# Allegro board RK_NVR_DEMO1_RK3588_LP4XD200P232SD8_V21_20211228_final_lint.brd
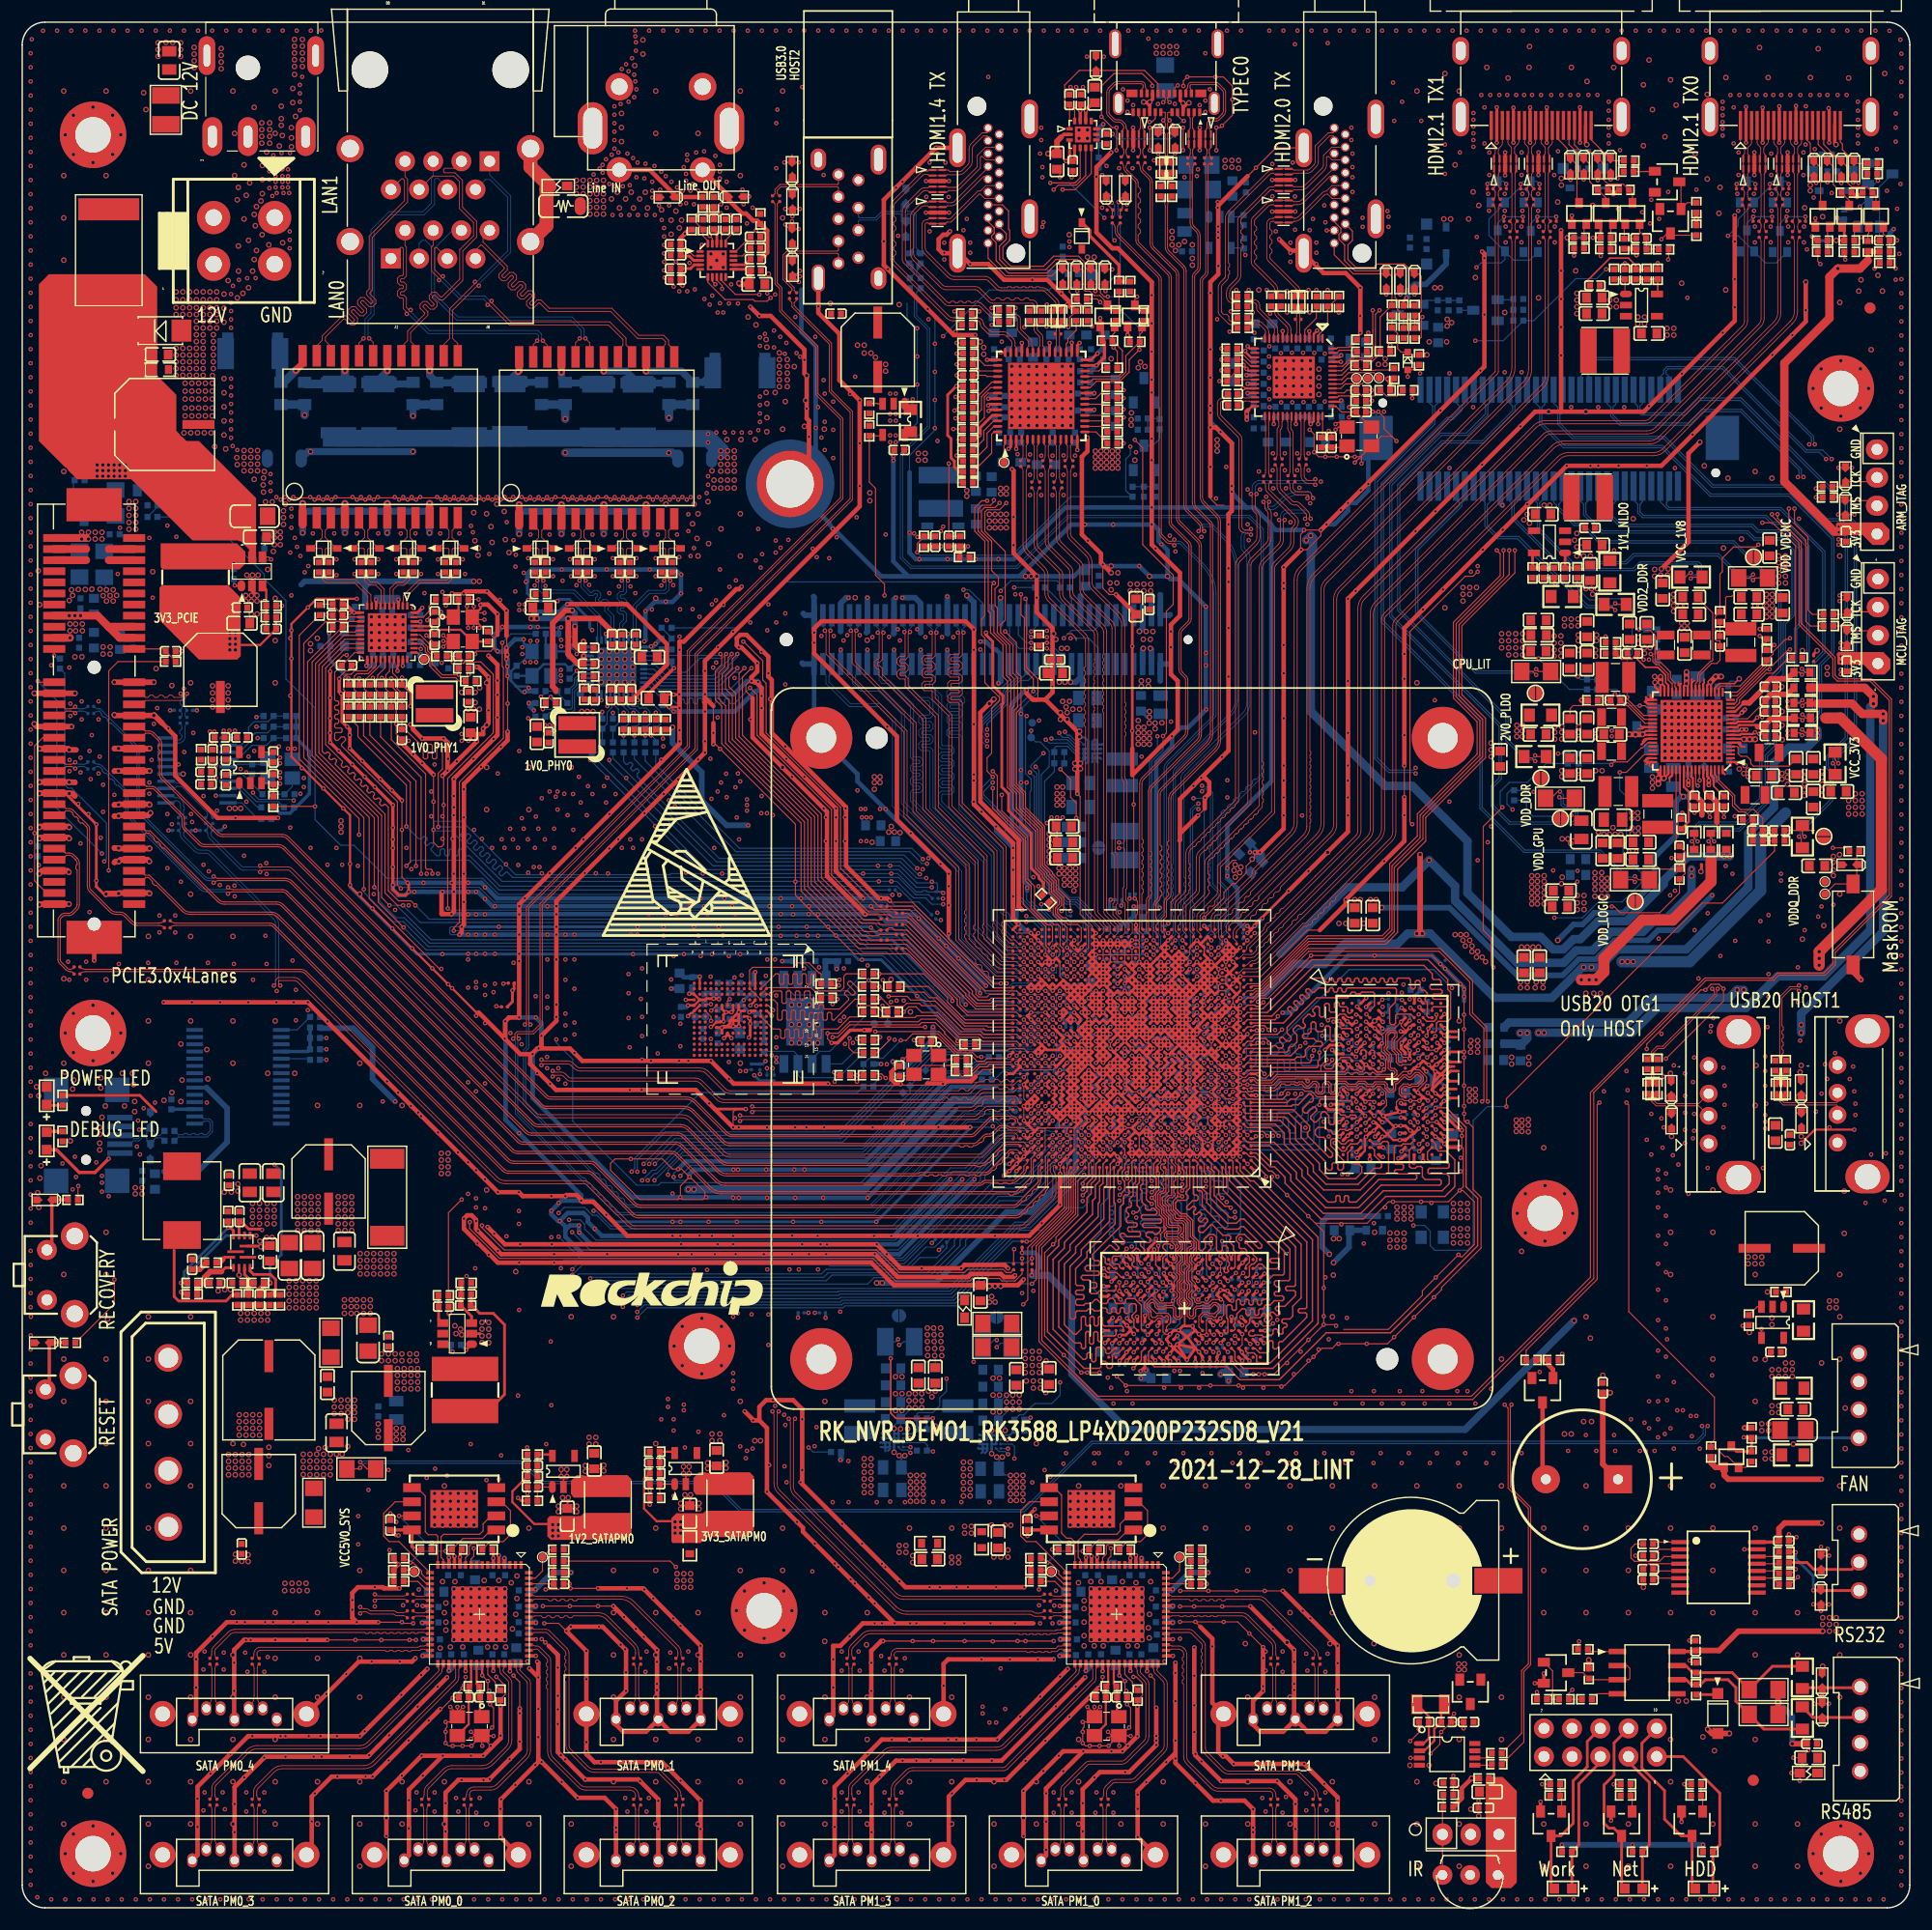
[diagram p0: board, top side]
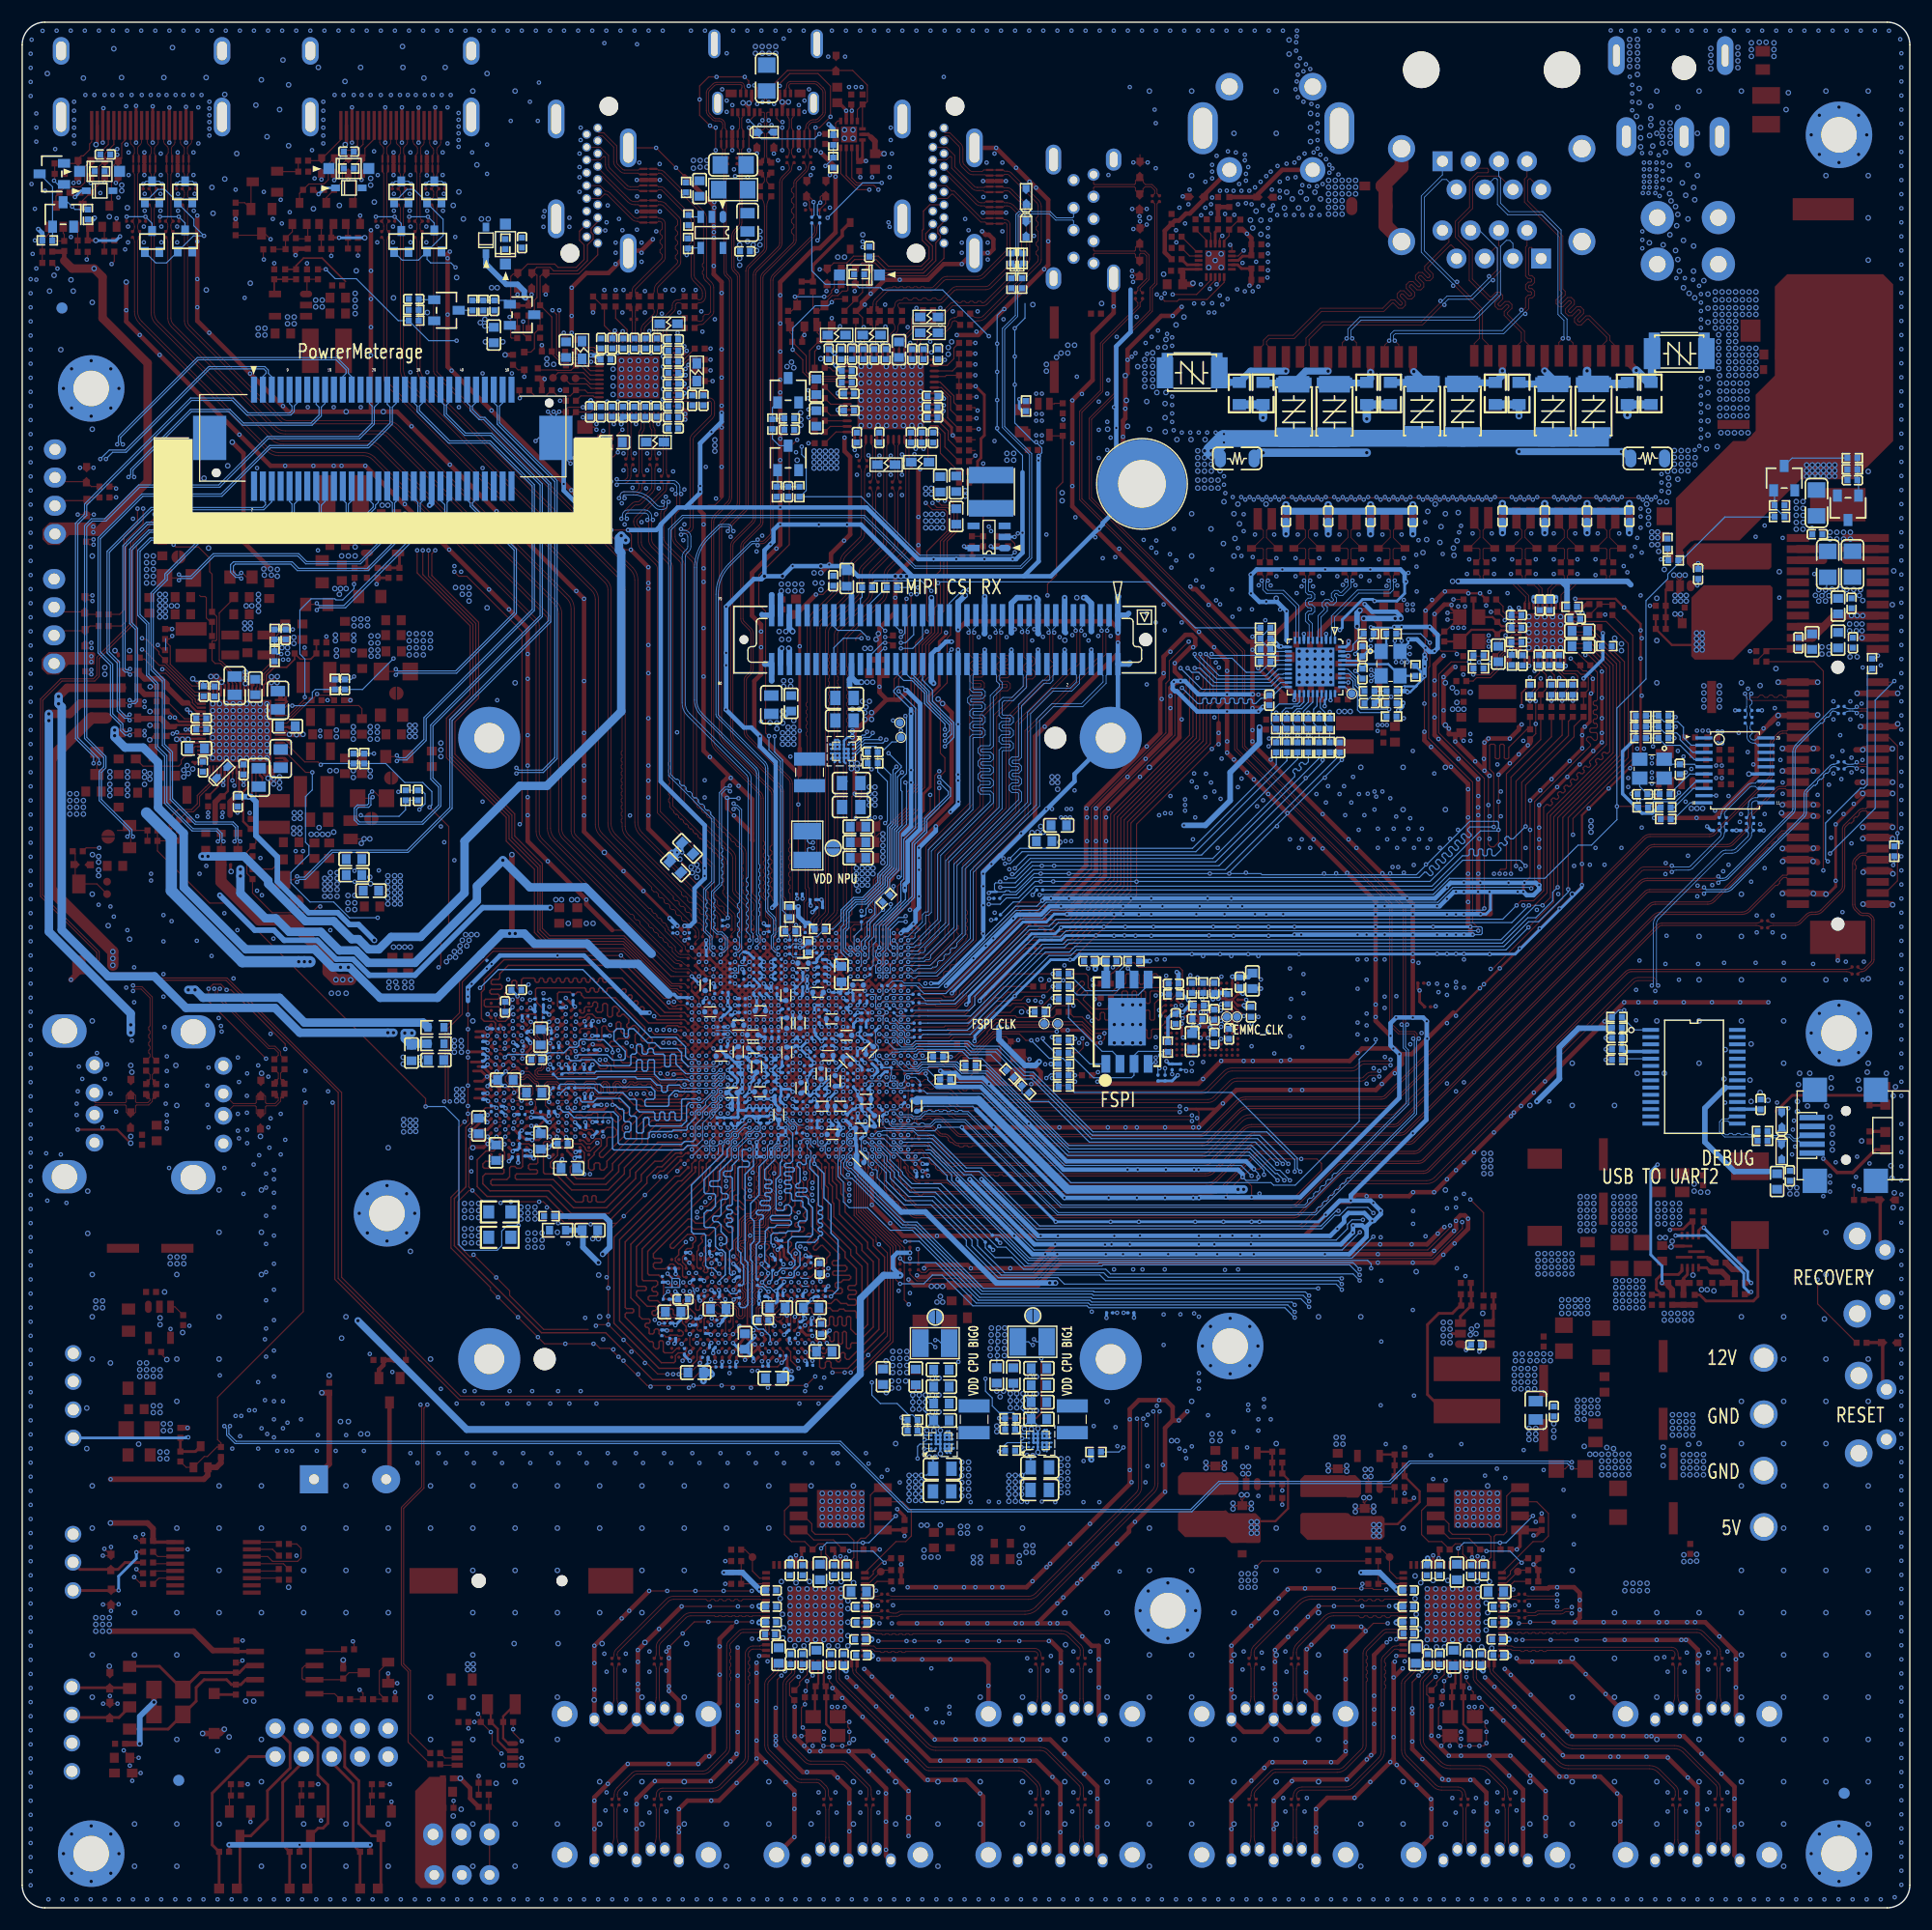
[diagram p1: board, bottom side, seen from below]

Outline 170.08 x 169.98 mm; copper layers: TOP, L2-GND1, L3-POWER1, L4-S1, L5-GND2, L6-S2, L7-GND3, BOTTOM. Coordinates in mm from the lower left corner of the outline.
Outline path: 0,167.94 0,2.03 arc(0.6,0.6) 2.03,0 168.05,0 arc(169.48,0.6) 170.08,2.03 170.08,167.94 arc(169.48,169.38) 168.05,169.98 2.03,169.98 arc(0.6,169.38) 0,167.94

## Design rules (mm)
net group CKDN: nets CKDN MIPI_DPHY1_TX_CLKN
net group CKDP: nets CKDP MIPI_DPHY1_TX_CLKP
net group DDR_CH0_LP4/4X_CKE0/LP5_CS0_A: nets DDR_CH0_LP4/4X_CKE0/LP5_CS0_A DDR_CH0_LP4/4X_CKE0_A
net group DDR_CH0_LP4/4X_CKE0/LP5_CS0_B: nets DDR_CH0_LP4/4X_CKE0/LP5_CS0_B DDR_CH0_LP4/4X_CKE0_B
net group DDR_CH0_LP4/4X_CKE1/LP5_CS1_A: nets DDR_CH0_LP4/4X_CKE1/LP5_CS1_A DDR_CH0_LP4/4X_CKE1_A
net group DDR_CH0_LP4/4X_CKE1/LP5_CS1_B: nets DDR_CH0_LP4/4X_CKE1/LP5_CS1_B DDR_CH0_LP4/4X_CKE1_B
net group DDR_CH1_LP4/4X_CKE0/LP5_CS0_C: nets DDR_CH1_LP4/4X_CKE0/LP5_CS0_C DDR_CH1_LP4/4X_CKE0_C
net group DDR_CH1_LP4/4X_CKE0/LP5_CS0_D: nets DDR_CH1_LP4/4X_CKE0/LP5_CS0_D DDR_CH1_LP4/4X_CKE0_D
net group DDR_CH1_LP4/4X_CKE1/LP5_CS1_C: nets DDR_CH1_LP4/4X_CKE1/LP5_CS1_C DDR_CH1_LP4/4X_CKE1_C
net group DDR_CH1_LP4/4X_CKE1/LP5_CS1_D: nets DDR_CH1_LP4/4X_CKE1/LP5_CS1_D DDR_CH1_LP4/4X_CKE1_D
net group DEBUG0_USBDM: nets DEBUG0_USB_DM DEBUG0_USBDM
net group DEBUG0_USBDP: nets DEBUG0_USB_DP DEBUG0_USBDP
net group DP1AUXN: nets DP1_AUXN DP1AUXN
net group DP1AUXP: nets DP1_AUXP DP1AUXP
net group DP1TX0N: nets DP1_TX0N DP1TX0N
net group DP1TX0P: nets DP1_TX0P DP1TX0P
net group DP1TX1N: nets DP1_TX1N DP1TX1N
net group DP1TX1P: nets DP1_TX1P DP1TX1P
net group DP1TX2N: nets DP1_TX2N DP1TX2N
net group DP1TX2P: nets DP1_TX2P DP1TX2P
net group DP1TX3N: nets DP1_TX3N DP1TX3N
net group DP1TX3P: nets DP1_TX3P DP1TX3P
net group DP13: nets SATAPM0_RXN5 SATAPM0_RXP5
net group DP19: nets SATAPM0_TXN5 SATAPM0_TXP5
net group DP27: nets SATAPM1_RXN5 SATAPM1_RXP5
net group DP33: nets SATAPM1_TXN5 SATAPM1_TXP5
net group DP55: nets TYPEC0_SBU1/DP0_AUXP TYPEC0_SBU2/DP0_AUXN
net group EMMC_CLKOUT: nets EMMC_CLKOUT EMMC_CLKOUT_SOC
net group EMMC_D4: nets EMMC_D4 EMMC_D4_SOC
net group EMMC_D5: nets EMMC_D5 EMMC_D5_SOC
net group EMMC_D7: nets EMMC_D7 EMMC_D7_SOC
net group EMMC_DATA_STROBE: nets EMMC_DATA_STROBE EMMC_DS
net group EMMC_RSTN: nets EMMC_RSTN EMMC_RSTN_SOC
net group ETH0_REFCLKO25M: nets ETH0_REFCLKO25M ETH0_REFCLKO_25M
net group ETH1_REFCLKO25M: nets ETH1_REFCLKO25M ETH1_REFCLKO_25M
net group GMAC0_MDC: nets GMAC0_MDC GMAC0_MDC_SOC
net group GMAC0_RSTN_L_GPIO4_B3: nets GMAC0_RSTN_L_GPIO4_B3 PHY0_RSTN
net group GMAC0_RXCLK: nets GMAC0_RXCLK PHY0_RXCLK/PHYAD1
net group GMAC0_RXD0: nets GMAC0_RXD0 PHY0_RXD0/RXDLY
net group GMAC0_RXD1: nets GMAC0_RXD1 PHY0_RXD1/TXDLY
net group GMAC0_RXD2: nets GMAC0_RXD2 PHY0_RXD2/PLLOFF
net group GMAC0_RXD3: nets GMAC0_RXD3 PHY0_RXD3/PHYAD0
net group GMAC0_RXDV_CRS: nets GMAC0_RXDV_CRS PHY0_RXDV/PHYAD2
net group GMAC0_TXCLK: nets GMAC0_TXCLK GMAC0_TXCLK_SOC
net group GMAC0_TXD0: nets GMAC0_TXD0 GMAC0_TXD0_SOC
net group GMAC0_TXD1: nets GMAC0_TXD1 GMAC0_TXD1_SOC
net group GMAC0_TXD2: nets GMAC0_TXD2 GMAC0_TXD2_SOC
net group GMAC0_TXD3: nets GMAC0_TXD3 GMAC0_TXD3_SOC
net group GMAC0_TXEN: nets GMAC0_TXEN GMAC0_TXEN_SOC
net group GMAC1_MDC: nets GMAC1_MDC GMAC1_MDC_SOC
net group GMAC1_RSTN_L_GPIO4_A2: nets GMAC1_RSTN_L_GPIO4_A2 PHY1_RSTN
net group GMAC1_RXD0: nets GMAC1_RXD0 PHY1_RXD0/RXDLY
net group GMAC1_RXD1: nets GMAC1_RXD1 PHY1_RXD1/TXDLY
net group GMAC1_RXDV_CRS: nets GMAC1_RXDV_CRS PHY1_RXDV/PHYAD2
net group GMAC1_TXCLK: nets GMAC1_TXCLK GMAC1_TXCLK_SOC
net group GMAC1_TXD0: nets GMAC1_TXD0 GMAC1_TXD0_SOC
net group GMAC1_TXD1: nets GMAC1_TXD1 GMAC1_TXD1_SOC
net group GMAC1_TXD2: nets GMAC1_TXD2 GMAC1_TXD2_SOC
net group GMAC1_TXD3: nets GMAC1_TXD3 GMAC1_TXD3_SOC
net group GMAC1_TXEN: nets GMAC1_TXEN GMAC1_TXEN_SOC
net group HDMI0_TX0N_PORT: nets HDMI0_TX0N_PORT HDMI0_TX0N_PORT/EDP0_TX_D0N
net group HDMI0_TX0P_PORT: nets HDMI0_TX0P_PORT HDMI0_TX0P_PORT/EDP0_TX_D0P
net group HDMI0_TX1N_PORT: nets HDMI0_TX1N_PORT HDMI0_TX1N_PORT/EDP0_TX_D1N
net group HDMI0_TX1P_PORT: nets HDMI0_TX1P_PORT HDMI0_TX1P_PORT/EDP0_TX_D1P
net group HDMI0_TX2N_PORT: nets HDMI0_TX2N_PORT HDMI0_TX2N_PORT/EDP0_TX_D2N
net group HDMI0_TX2P_PORT: nets HDMI0_TX2P_PORT HDMI0_TX2P_PORT/EDP0_TX_D2P
net group HDMI0_TX3N_PORT: nets HDMI0_TX3N_PORT HDMI0_TX3N_PORT/EDP0_TX_D3N
net group HDMI0_TX3P_PORT: nets HDMI0_TX3P_PORT HDMI0_TX3P_PORT/EDP0_TX_D3P
net group HDMI0_TX_HPD_PORT: nets HDMI0_TX_HPD_PORT N18070280
net group HDMI1_TX0N_PORT: nets HDMI1_TX0N_PORT HDMI1_TX0N_PORT/EDP1_TX_D0N
net group HDMI1_TX0P_PORT: nets HDMI1_TX0P_PORT HDMI1_TX0P_PORT/EDP1_TX_D0P
net group HDMI1_TX1N_PORT: nets HDMI1_TX1N_PORT HDMI1_TX1N_PORT/EDP1_TX_D1N
net group HDMI1_TX1P_PORT: nets HDMI1_TX1P_PORT HDMI1_TX1P_PORT/EDP1_TX_D1P
net group HDMI1_TX2N_PORT: nets HDMI1_TX2N_PORT HDMI1_TX2N_PORT/EDP1_TX_D2N
net group HDMI1_TX2P_PORT: nets HDMI1_TX2P_PORT HDMI1_TX2P_PORT/EDP1_TX_D2P
net group HDMI1_TX3N_PORT: nets HDMI1_TX3N_PORT HDMI1_TX3N_PORT/EDP1_TX_D3N
net group HDMI1_TX3P_PORT: nets HDMI1_TX3P_PORT HDMI1_TX3P_PORT/EDP1_TX_D3P
net group HDMI2_TX0N: nets HDMI2_TX0N HDMI2_TX0N_PORT
net group HDMI2_TX0P: nets HDMI2_TX0P HDMI2_TX0P_PORT
net group HDMI2_TX1N: nets HDMI2_TX1N HDMI2_TX1N_PORT
net group HDMI2_TX1P: nets HDMI2_TX1P HDMI2_TX1P_PORT
net group HDMI2_TX2N: nets HDMI2_TX2N HDMI2_TX2N_PORT
net group HDMI2_TX2P: nets HDMI2_TX2P HDMI2_TX2P_PORT
net group HDMI2_TXCN: nets HDMI2_TXCN HDMI2_TXCN_PORT
net group HDMI2_TXCP: nets HDMI2_TXCP HDMI2_TXCP_PORT
net group HDMI3_TX0N: nets HDMI3_TX0N HDMI3_TX0N_PORT
net group HDMI3_TX0P: nets HDMI3_TX0P HDMI3_TX0P_PORT
net group HDMI3_TX1N: nets HDMI3_TX1N HDMI3_TX1N_PORT
net group HDMI3_TX1P: nets HDMI3_TX1P HDMI3_TX1P_PORT
net group HDMI3_TX2N: nets HDMI3_TX2N HDMI3_TX2N_PORT
net group HDMI3_TX2P: nets HDMI3_TX2P HDMI3_TX2P_PORT
net group HDMI3_TXCN: nets HDMI3_TXCN HDMI3_TXCN_PORT
net group HDMI3_TXCP: nets HDMI3_TXCP HDMI3_TXCP_PORT
net group HDMITX0_SCL_M0: nets HDMITX0_SCL_M0 N14549722
net group HDMITX0_SDA_M0: nets HDMITX0_SDA_M0 N14550286
net group JTAG_TCK_M0: nets JTAG_TCK_M0 N15230524
net group JTAG_TMS_M0: nets JTAG_TMS_M0 N15230520
net group L0DN: nets L0DN MIPI_DPHY1_TX_D0N
net group L0DP: nets L0DP MIPI_DPHY1_TX_D0P
net group L1DN: nets L1DN MIPI_DPHY1_TX_D1N
net group L1DP: nets L1DP MIPI_DPHY1_TX_D1P
net group L2DN: nets L2DN MIPI_DPHY1_TX_D2N
net group L2DP: nets L2DP MIPI_DPHY1_TX_D2P
net group L3DN: nets L3DN MIPI_DPHY1_TX_D3N
net group L3DP: nets L3DP MIPI_DPHY1_TX_D3P
net group MCU_JTAG_TCK_M0/UART5_RX_M0: nets MCU_JTAG_TCK_M0/UART5_RX_M0 N15231638
net group MCU_JTAG_TMS_M0/UART5_TX_M0: nets MCU_JTAG_TMS_M0/UART5_TX_M0 N15231634
net group PCIE30_PORT0_REFCLKN_IN: nets PCIE30_PORT0_REFCLKN_IN PI6C_05_CLK2N
net group PCIE30_PORT0_REFCLKP_IN: nets PCIE30_PORT0_REFCLKP_IN PI6C_05_CLK2P
net group PCIE30_PORT0_RX0: nets PCIE30_PORT0_RX0N PCIE30_PORT0_RX0P
net group PCIE30_PORT0_RX1: nets PCIE30_PORT0_RX1N PCIE30_PORT0_RX1P
net group PCIE30_PORT0_TX0N: nets PCIE30_PORT0_TX0N PCIE30_TX0_N
net group PCIE30_PORT0_TX0P: nets PCIE30_PORT0_TX0P PCIE30_TX0_P
net group PCIE30_PORT0_TX1N: nets PCIE30_PORT0_TX1N PCIE30_TX1_N
net group PCIE30_PORT0_TX1P: nets PCIE30_PORT0_TX1P PCIE30_TX1_P
net group PCIE30_PORT1_REFCLKN_IN: nets PCIE30_PORT1_REFCLKN_IN PI6C_05_CLK3N
net group PCIE30_PORT1_REFCLKP_IN: nets PCIE30_PORT1_REFCLKP_IN PI6C_05_CLK3P
net group PCIE30_PORT1_RX2: nets PCIE30_PORT1_RX2N PCIE30_PORT1_RX2P
net group PCIE30_PORT1_RX3: nets PCIE30_PORT1_RX3N PCIE30_PORT1_RX3P
net group PCIE30_PORT1_TX2N: nets PCIE30_PORT1_TX2N PCIE30_TX2_N
net group PCIE30_PORT1_TX2P: nets PCIE30_PORT1_TX2P PCIE30_TX2_P
net group PCIE30_PORT1_TX3N: nets PCIE30_PORT1_TX3N PCIE30_TX3_N
net group PCIE30_PORT1_TX3P: nets PCIE30_PORT1_TX3P PCIE30_TX3_P
net group PCIE30X4_REFCLKN_CON: nets PCIE30X4_REFCLKN_CON PI6C_05_CLK0N
net group PCIE30X4_REFCLKP_CON: nets PCIE30X4_REFCLKP_CON PI6C_05_CLK0P
net group PHY0_MDI0+: nets PHY0_MDI0+ PHY0_MDI_0+
net group PHY0_MDI0-: nets PHY0_MDI0- PHY0_MDI_0-
net group PHY0_MDI1+: nets PHY0_MDI1+ PHY0_MDI_1+
net group PHY0_MDI1-: nets PHY0_MDI1- PHY0_MDI_1-
net group PHY0_MDI2+: nets PHY0_MDI2+ PHY0_MDI_2+
net group PHY0_MDI2-: nets PHY0_MDI2- PHY0_MDI_2-
net group PHY0_MDI3+: nets PHY0_MDI3+ PHY0_MDI_3+
net group PHY0_MDI3-: nets PHY0_MDI3- PHY0_MDI_3-
net group PHY1_MDI0+: nets PHY1_MDI0+ PHY1_MDI_0+
net group PHY1_MDI0-: nets PHY1_MDI0- PHY1_MDI_0-
net group PHY1_MDI1+: nets PHY1_MDI1+ PHY1_MDI_1+
net group PHY1_MDI1-: nets PHY1_MDI1- PHY1_MDI_1-
net group PHY1_MDI2+: nets PHY1_MDI2+ PHY1_MDI_2+
net group PHY1_MDI2-: nets PHY1_MDI2- PHY1_MDI_2-
net group PHY1_MDI3+: nets PHY1_MDI3+ PHY1_MDI_3+
net group PHY1_MDI3-: nets PHY1_MDI3- PHY1_MDI_3-
net group PMIC_SPI_CLK: nets PMIC_SPI_CLK SPI2_CLK_M2
net group PMIC_SPI_CS: nets PMIC_SPI_CS SPI2_CS0_M2
net group SATA30_0_RX: nets SATA30_0_RXN SATA30_0_RXP
net group SATA30_0_TX: nets SATA30_0_TXN SATA30_0_TXP
net group SATA30_1_RX: nets SATA30_1_RXN SATA30_1_RXP
net group SATA30_1_TX: nets SATA30_1_TXN SATA30_1_TXP
net group SATAPM0_RXN0: nets SATAPM0_RXN0 SATAPM0_RXN_0
net group SATAPM0_RXN1: nets SATAPM0_RXN1 SATAPM0_RXN_1
net group SATAPM0_RXN2: nets SATAPM0_RXN2 SATAPM0_RXN_2
net group SATAPM0_RXN3: nets SATAPM0_RXN3 SATAPM0_RXN_3
net group SATAPM0_RXN4: nets SATAPM0_RXN4 SATAPM0_RXN_4
net group SATAPM0_RXP0: nets SATAPM0_RXP0 SATAPM0_RXP_0
net group SATAPM0_RXP1: nets SATAPM0_RXP1 SATAPM0_RXP_1
net group SATAPM0_RXP2: nets SATAPM0_RXP2 SATAPM0_RXP_2
net group SATAPM0_RXP3: nets SATAPM0_RXP3 SATAPM0_RXP_3
net group SATAPM0_RXP4: nets SATAPM0_RXP4 SATAPM0_RXP_4
net group SATAPM0_TXN0: nets SATAPM0_TXN0 SATAPM0_TXN_0
net group SATAPM0_TXN1: nets SATAPM0_TXN1 SATAPM0_TXN_1
net group SATAPM0_TXN2: nets SATAPM0_TXN2 SATAPM0_TXN_2
net group SATAPM0_TXN3: nets SATAPM0_TXN3 SATAPM0_TXN_3
net group SATAPM0_TXN4: nets SATAPM0_TXN4 SATAPM0_TXN_4
net group SATAPM0_TXP0: nets SATAPM0_TXP0 SATAPM0_TXP_0
net group SATAPM0_TXP1: nets SATAPM0_TXP1 SATAPM0_TXP_1
net group SATAPM0_TXP2: nets SATAPM0_TXP2 SATAPM0_TXP_2
net group SATAPM0_TXP3: nets SATAPM0_TXP3 SATAPM0_TXP_3
net group SATAPM0_TXP4: nets SATAPM0_TXP4 SATAPM0_TXP_4
net group SATAPM1_RXN0: nets SATAPM1_RXN0 SATAPM1_RXN_0
net group SATAPM1_RXN1: nets SATAPM1_RXN1 SATAPM1_RXN_1
net group SATAPM1_RXN2: nets SATAPM1_RXN2 SATAPM1_RXN_2
net group SATAPM1_RXN3: nets SATAPM1_RXN3 SATAPM1_RXN_3
net group SATAPM1_RXN4: nets SATAPM1_RXN4 SATAPM1_RXN_4
net group SATAPM1_RXP0: nets SATAPM1_RXP0 SATAPM1_RXP_0
net group SATAPM1_RXP1: nets SATAPM1_RXP1 SATAPM1_RXP_1
net group SATAPM1_RXP2: nets SATAPM1_RXP2 SATAPM1_RXP_2
net group SATAPM1_RXP3: nets SATAPM1_RXP3 SATAPM1_RXP_3
net group SATAPM1_RXP4: nets SATAPM1_RXP4 SATAPM1_RXP_4
net group SATAPM1_TXN0: nets SATAPM1_TXN0 SATAPM1_TXN_0
net group SATAPM1_TXN1: nets SATAPM1_TXN1 SATAPM1_TXN_1
net group SATAPM1_TXN2: nets SATAPM1_TXN2 SATAPM1_TXN_2
net group SATAPM1_TXN3: nets SATAPM1_TXN3 SATAPM1_TXN_3
net group SATAPM1_TXN4: nets SATAPM1_TXN4 SATAPM1_TXN_4
net group SATAPM1_TXP0: nets SATAPM1_TXP0 SATAPM1_TXP_0
net group SATAPM1_TXP1: nets SATAPM1_TXP1 SATAPM1_TXP_1
net group SATAPM1_TXP2: nets SATAPM1_TXP2 SATAPM1_TXP_2
net group SATAPM1_TXP3: nets SATAPM1_TXP3 SATAPM1_TXP_3
net group SATAPM1_TXP4: nets SATAPM1_TXP4 SATAPM1_TXP_4
net group TYPEC0_RX1N: nets TYPEC0_RX1N TYPEC0_SSRX1N
net group TYPEC0_RX1P: nets TYPEC0_RX1P TYPEC0_SSRX1P
net group TYPEC0_RX2N: nets TYPEC0_RX2N TYPEC0_SSRX2N
net group TYPEC0_RX2P: nets TYPEC0_RX2P TYPEC0_SSRX2P
net group TYPEC0_SSTX1N: nets TYPEC0_SSTX1N TYPEC0_TX1N
net group TYPEC0_SSTX1P: nets TYPEC0_SSTX1P TYPEC0_TX1P
net group TYPEC0_SSTX2N: nets TYPEC0_SSTX2N TYPEC0_TX2N
net group TYPEC0_SSTX2P: nets TYPEC0_SSTX2P TYPEC0_TX2P
net group USB30_2_SSRXN: nets USB30_2_SSRXN USB30_HOST2_SSRXN
net group USB30_2_SSRXP: nets USB30_2_SSRXP USB30_HOST2_SSRXP
net group USB30_2_SSTXN: nets USB30_2_SSTXN USB30_HOST2_SSTXN
net group USB30_2_SSTXP: nets USB30_2_SSTXP USB30_HOST2_SSTXP
net group DDR: nets DDR_RESET
net group DDR_DQS: nets DDR_CH0_DQS0N_A DDR_CH0_DQS0N_B DDR_CH0_DQS0P_A DDR_CH0_DQS0P_B DDR_CH0_DQS1N_A DDR_CH0_DQS1N_B DDR_CH0_DQS1P_A DDR_CH0_DQS1P_B DDR_CH1_DQS0N_C DDR_CH1_DQS0N_D DDR_CH1_DQS0P_C DDR_CH1_DQS0P_D DDR_CH1_DQS1N_C DDR_CH1_DQS1N_D DDR_CH1_DQS1P_C DDR_CH1_DQS1P_D
net group EMMC_CMD: nets EMMC_CMD EMMC_CMD/FSPI_CLK FSPI_CLK
net group EMMC_D0: nets EMMC_D0 EMMC_D0/FSPI_D0 FSPI_D0
net group EMMC_D1: nets EMMC_D1 EMMC_D1/FSPI_D1 FSPI_D1
net group EMMC_D2: nets EMMC_D2 EMMC_D2/FSPI_D2 FSPI_D2
net group EMMC_D3: nets EMMC_D3 EMMC_D3/FSPI_D3 FSPI_D3
net group EMMC_D6: nets EMMC_D6 EMMC_D6/FSPI_CS0 FSPI_CS0
net group GMAC0_MCLKIN: nets GMAC0_MCLKIN GMAC0_MCLKINOUT PHY0_CLKOUT125
net group GMAC1_MCLKIN: nets GMAC1_MCLKIN GMAC1_MCLKINOUT PHY1_CLKOUT125
net group GMAC1_RXCLK: nets GMAC1_RXCLK GMAC1_RXCLK_SOC PHY1_RXCLK/PHYAD1
net group GMAC1_RXD2: nets GMAC1_RXD2 GMAC1_RXD2_SOC PHY1_RXD2/PLLOFF
net group GMAC1_RXD3: nets GMAC1_RXD3 GMAC1_RXD3_SOC PHY1_RXD3/PHYAD0
net group HDMI0_TX_SCL_PORT: nets HDMI0_TX_SCL_PORT HDMI0_TX_SDA_PORT N14549718
net group M_LAN0: nets LAN0_A+ LAN0_A- LAN0_B+ LAN0_B- LAN0_C+ LAN0_C- LAN0_D+ LAN0_D-
net group M_LAN1: nets LAN1_A+ LAN1_A- LAN1_B+ LAN1_B- LAN1_C+ LAN1_C- LAN1_D+ LAN1_D-
net group M_MIPI_CSI0: nets MIPI_CSI0_RX_CLK0N MIPI_CSI0_RX_CLK0P MIPI_CSI0_RX_CLK1N MIPI_CSI0_RX_CLK1P MIPI_CSI0_RX_D0N MIPI_CSI0_RX_D0P MIPI_CSI0_RX_D1N MIPI_CSI0_RX_D1P MIPI_CSI0_RX_D2N MIPI_CSI0_RX_D2P MIPI_CSI0_RX_D3N MIPI_CSI0_RX_D3P
net group M_MIPI_CSI1: nets MIPI_CSI1_RX_CLK0N MIPI_CSI1_RX_CLK0P MIPI_CSI1_RX_CLK1N MIPI_CSI1_RX_CLK1P MIPI_CSI1_RX_D0N MIPI_CSI1_RX_D0P MIPI_CSI1_RX_D1N MIPI_CSI1_RX_D1P MIPI_CSI1_RX_D2N MIPI_CSI1_RX_D2P MIPI_CSI1_RX_D3N MIPI_CSI1_RX_D3P
net group PMIC_PWR_CTRL3: nets PMIC_PWR_CTRL3 PMIC_SPI_MOSI SPI2_MISO_M2 SPI2_MOSI_M2
net group TYPEC0_DM: nets N16183282 TYPEC0_DM TYPEC0_USB20_OTG_DM
net group TYPEC0_DP: nets N16183296 TYPEC0_DP TYPEC0_USB20_OTG_DP
net group TYPEC1_USB20_HOST_DM: nets N16185430 TYPEC1_USB20_HOST_DM TYPEC1_USB20_OTG_DM
net group TYPEC1_USB20_HOST_DP: nets N16185436 TYPEC1_USB20_HOST_DP TYPEC1_USB20_OTG_DP
net group USB20_HOST0DM: nets N15183044 USB20_HOST0_DM USB20_HOST0DM
net group USB20_HOST0DP: nets N15183032 USB20_HOST0_DP USB20_HOST0DP
net group USB20_HOST1DM: nets N16185534 USB20_HOST1_DM USB20_HOST1DM
net group USB20_HOST1DP: nets N16185540 USB20_HOST1_DP USB20_HOST1DP
